# Altium PCB Stabilizer_Pounder.PcbDoc (part 5 of 7)
Units mm, origin at the board's own origin, x right, y up, seen from the top; angles counter-clockwise.
Board outline 113.55 x 100 mm, 4 copper layers (Top, P2, L3, Bottom Layer), stack 1.579 mm thick; 591 components, 344 nets, 1737 pads, 984 vias.
Unrouted connection lines stored in the file: 2.
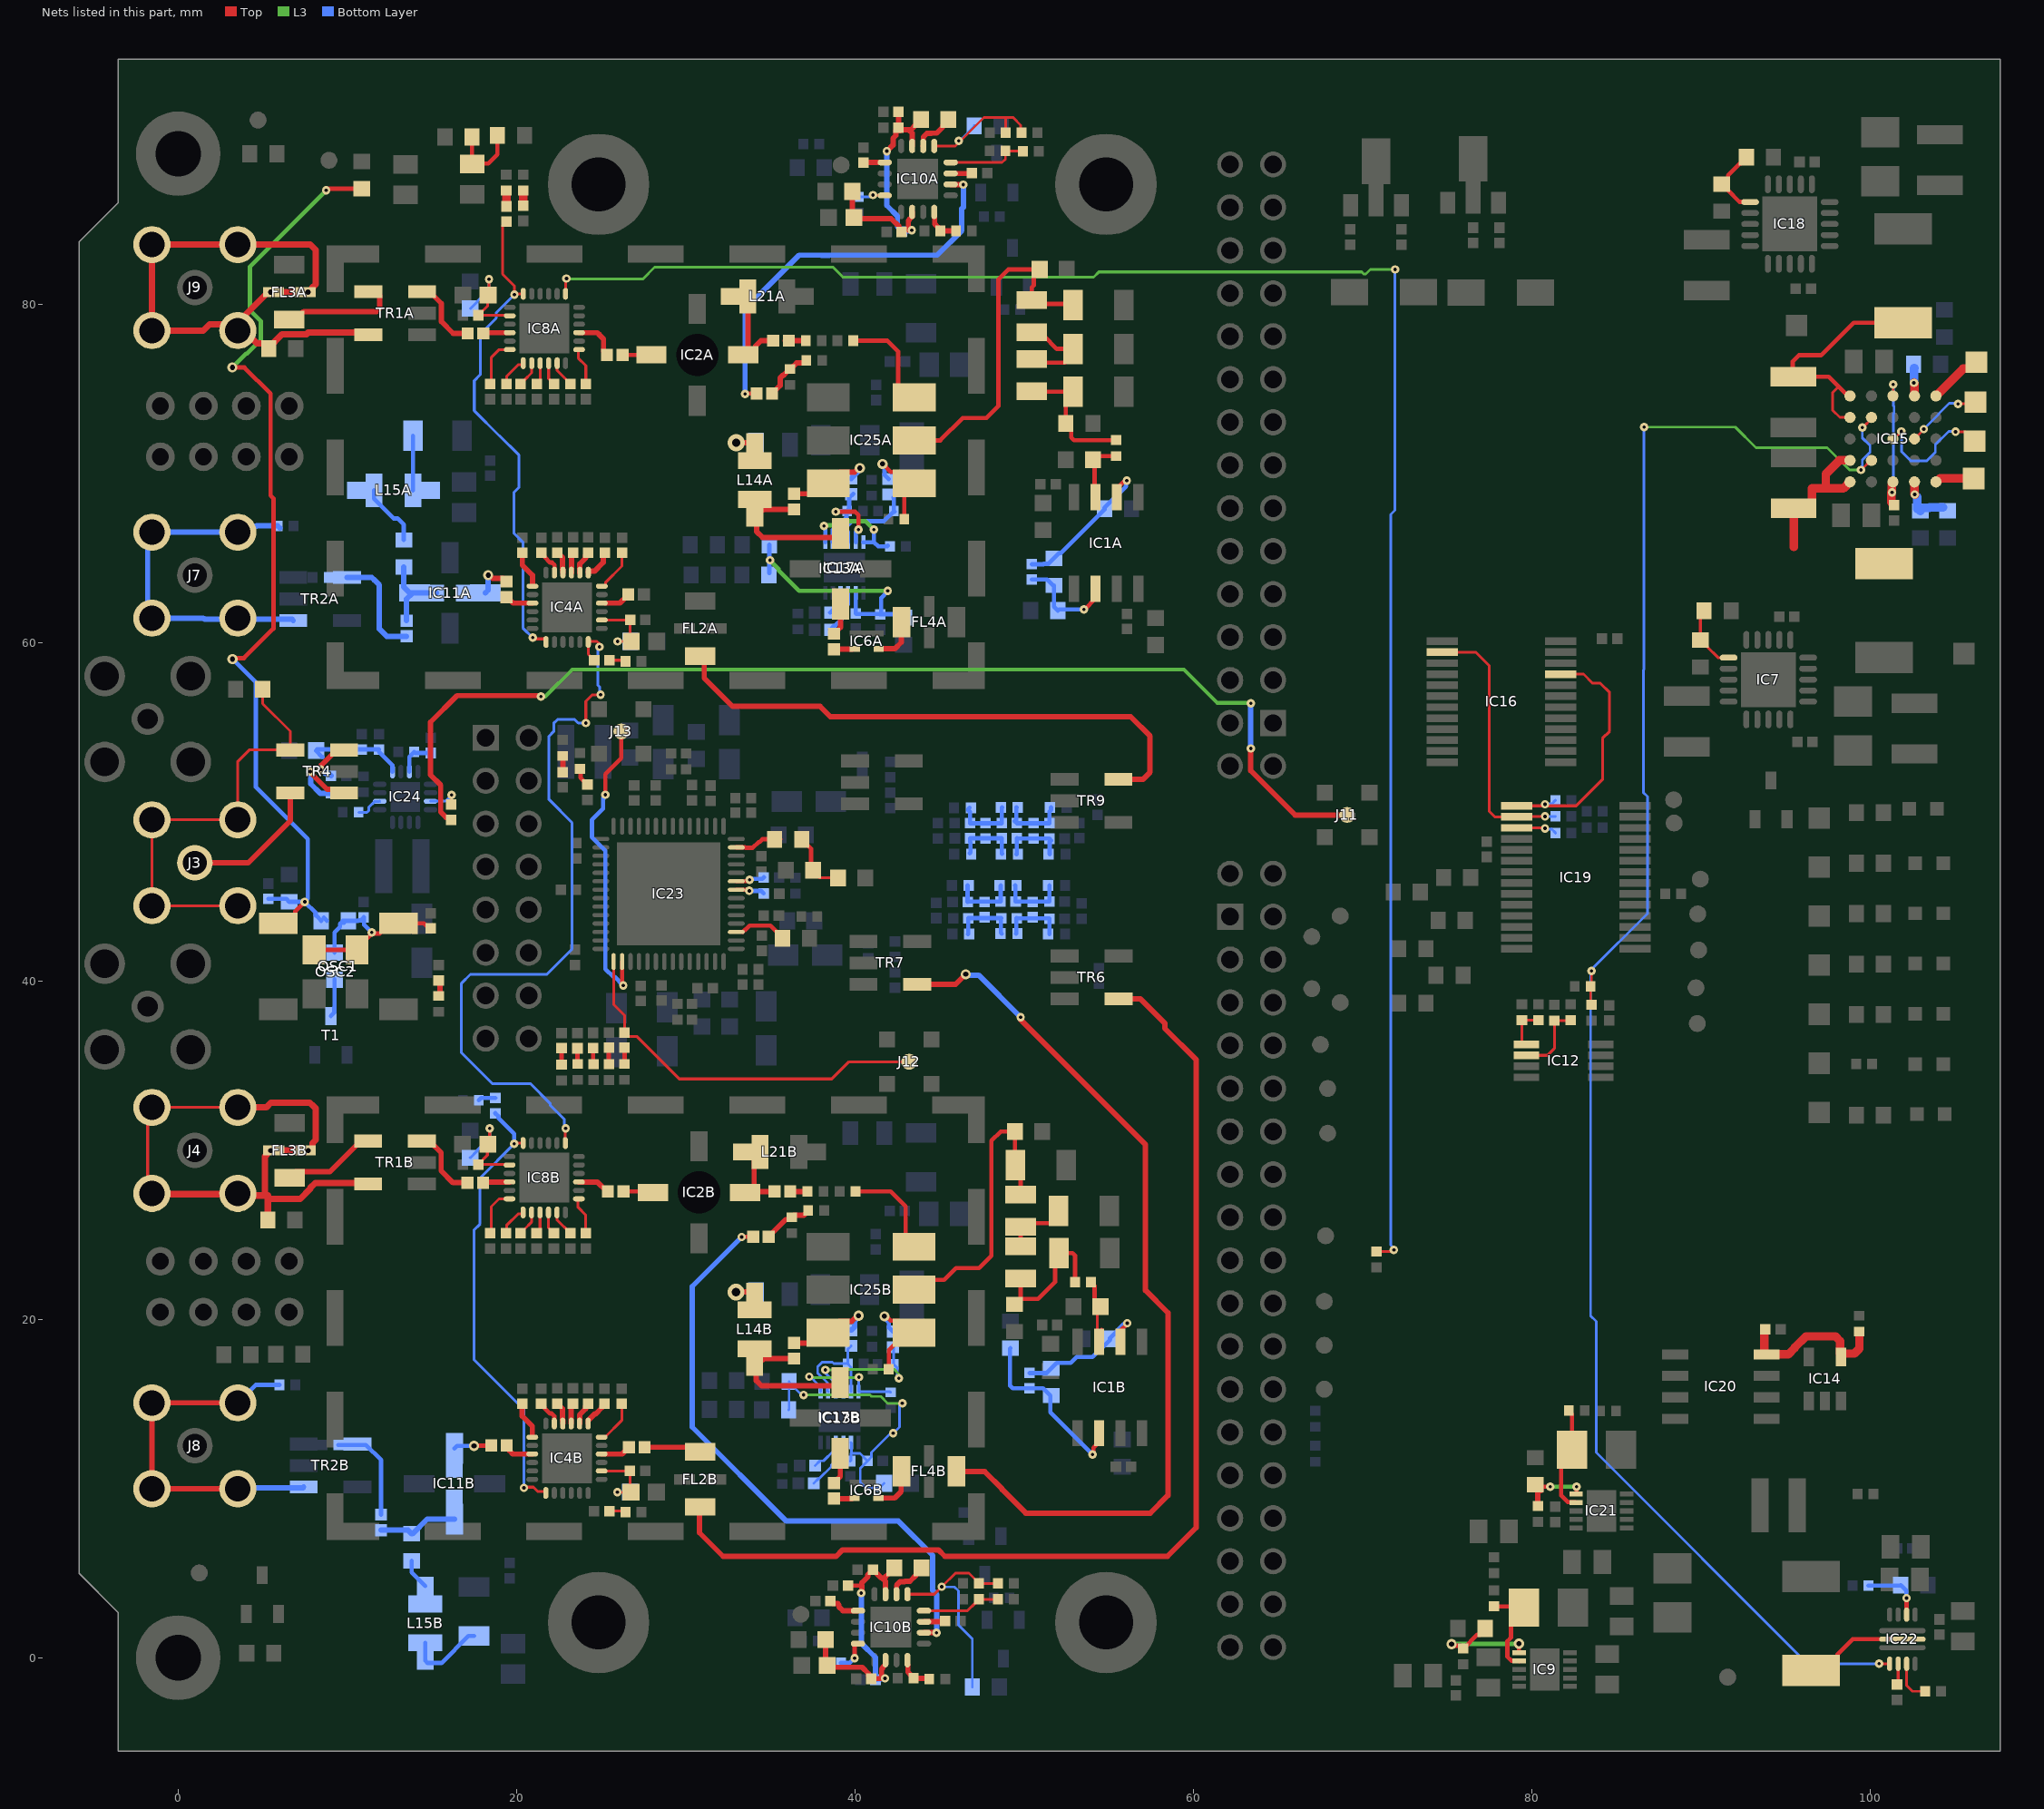
[diagram p7: the nets of this part, all layers, seen from the top]

## Via types
v1: diameter 0.5, hole 0.2, Top to Bottom Layer, tented both sides, 847 vias
v2: diameter 0.6, hole 0.3, Top to Bottom Layer, tented both sides, 113 vias
v3: diameter 1, hole 0.5, Top to Bottom Layer, tented both sides, 24 vias

## Nets (pads, with @x,y where several pads share a name; then routed paths per layer and width w, separated by ;. In a path a pad name is that pad's centre, name@x,y a point inside that pad or via, vN(x,y) a via of type N, cw(c..) or ccw(c..) an arc to the next point about the centre after c; other vN are vias at no path point) (continued)
NetC1A_2: C1A.2 IC4A.4 | length 1.6
  Top w0.316: IC4A.4@25.231,62.338 26.112,62.338 26.607,62.833 C1A.2@26.607,62.838
NetC1B_1: C1B.1 FL2B.3 | length 3.4
  Top w0.316: C1B.1@27.56,12.443 30.574,12.443 FL2B.3@30.849,12.168
NetC1B_2: C1B.2 IC4B.4 | length 1.8
  Top w0.316: IC4B.4@25.029,12.043 26.245,12.043 26.64,12.438 C1B.2@26.64,12.443
NetC2A_1: C2A.1 IC4A.15 | length 1.7
  Top w0.316: C2A.1@19.389,62.738 19.394,62.738 19.591,62.541 19.591,62.536 19.789,62.338 IC4A.15@20.939,62.338
NetC2A_2: C2A.2 IC11A.1 R86A.1 | length 2.4
  Top w0.316: v2(18.319,63.988) 18.396,63.988 18.579,63.805 19.197,63.805 C2A.2@19.394,63.608
  Bottom Layer w0.316: IC11A.1@18.149,62.934 18.319,63.104 v2(18.319,63.988)
NetC2B_1: C2B.1 IC4B.15 | length 1.7
  Top w0.316: C2B.1@19.379,12.443 19.384,12.443 19.581,12.246 19.581,12.241 19.779,12.043 IC4B.15@20.929,12.043
NetC2B_2: C2B.2 IC11B.1 R86B.1 | length 2.2
  Top w0.254: v2(17.486,12.528) 17.494,12.535 18.491,12.535 C2B.2@18.498,12.543
  Bottom Layer w0.254: IC11B.1@16.324,12.373 16.479,12.528 v2(17.486,12.528)
NetC3_1: C3.1 R50.1 | length 1
  Top w0.254: R50.1@25.451,35.088 C3.1@25.451,36.053
NetC4_1: C4.1 R51.1 | length 1
  Top w0.254: C4.1@24.527,36.037 24.527,35.097 R51.1@24.542,35.082
NetC5A_1: C5A.1 C97A.2 C98A.2 C99A.2 C100A.2 C104A.2 IC10A.3 IC10A.10 L22A.2 | length 16.6
  Top w0.316: L22A.2@39.844,86.668 39.844,85.378 C97A.2@40.056,85.166 ; C97A.2@40.208,85.064 42.138,85.064 42.615,84.588 42.615,84.429 C100A.2@42.766,84.277 ; v1(41.885,89.052) 42.248,89.416 42.248,89.809 42.422,89.983 42.422,90.286 C104A.2@42.574,90.438 ; C104A.2@42.545,90.271 C104A.2@42.672,90.271 ; C99A.2@42.574,91.388 42.574,90.547 C104A.2@42.629,90.493 ; C104A.2@42.672,90.322 43.318,90.322 43.567,90.571 43.592,90.571 43.909,90.888 C5A.1@43.909,90.913 ; v1@43.155,84.379 43.155,84.942 43.22,85.007 43.22,85.034 43.384,85.199 IC10A.10@43.384,85.458 ; 43.256,90.246 43.384,90.118 IC10A.3@43.384,89.358 ; IC10A.3@43.383,89.611 IC10A.3@43.383,89.618
  Bottom Layer w0.316: v1@41.885,89.001 41.885,85.837 42.512,85.21 42.512,84.582 C98A.2@42.792,84.302 42.833,84.343 43.323,84.343 v1(43.358,84.379)
NetC5A_2: C5A.2 IC10A.2 | length 2.4
  Top w0.316: IC10A.2@44.034,89.358 44.04,89.364 44.04,89.887 44.256,90.102 44.513,90.102 44.529,90.119 44.831,90.119 45.192,90.48 45.192,90.571 45.375,90.754 C5A.2@45.466,90.754
NetC5B_1: C5B.1 C97B.2 C98B.2 C99B.2 C100B.2 C104B.2 IC10B.3 IC10B.10 L22B.2 | length 17.3
  Top w0.254: C99B.2@39.591,4.267 40.41,4.267
  Top w0.316: L22B.2@38.264,1.068 38.264,-0.222 C97B.2@38.476,-0.434 ; C97B.2@38.628,-0.536 38.653,-0.561 40.422,-0.561 40.811,-0.95 40.811,-1.093 40.951,-1.233 41.575,-1.233 41.766,-1.233 v1(41.778,-1.222) ; v1(40.375,3.821) 40.41,3.856 40.41,4.267 ; 40.41,4.429 40.76,4.779 40.76,4.902 C104B.2@41.065,5.207 41.549,4.722 41.738,4.722 41.987,4.971 42.012,4.971 42.329,5.288 C5B.1@42.329,5.313 ; v1@41.575,-1.222 41.575,-0.658 41.64,-0.593 41.64,-0.566 41.804,-0.401 IC10B.10@41.804,-0.142 ; 41.676,4.646 41.804,4.518 IC10B.3@41.804,3.758
  Bottom Layer w0.316: v1(40.375,3.821) 40.375,0.855 41.212,0.018 C98B.2@41.212,-1.298 41.253,-1.257 41.743,-1.257 v1(41.778,-1.222)
NetC5B_2: C5B.2 IC10B.2 | length 2.4
  Top w0.316: IC10B.2@42.454,3.758 42.46,3.764 42.46,4.287 42.676,4.502 42.933,4.502 42.949,4.519 43.251,4.519 43.612,4.88 43.612,4.971 43.795,5.154 C5B.2@43.886,5.154
NetC6_1: C6.1 C44.1 R36.2 | length 3.8
  Top w0.166: C6.1@37.472,46.548 37.922,46.098 C44.1@39.004,46.098
  Top w0.254: R36.2@36.851,48.378 37.404,47.825 37.404,46.616 C6.1@37.472,46.548
NetC8A_1: C8A.1 TR1A.1 | length 4.3
  Top w0.316: TR1A.1@14.414,80.744 14.859,80.744 15.55,80.053 15.55,78.982 16.254,78.278 C8A.1@17.109,78.278
NetC8A_2: C8A.2 IC8A.4 | length 1.6
  Top w0.316: C8A.2@18.029,78.278 18.073,78.322 IC8A.4@19.593,78.322
NetC8B_1: C8B.1 TR1B.1 | length 4.3
  Top w0.316: TR1B.1@14.404,30.545 14.849,30.545 15.54,29.855 15.54,28.784 16.244,28.08 C8B.1@17.099,28.08
NetC8B_2: C8B.2 IC8B.4 | length 1.6
  Top w0.316: C8B.2@18.019,28.08 18.063,28.124 IC8B.4@19.583,28.124
NetC11_1: C11.1 R52.1 | length 0.9
  Top w0.254: C11.1@23.597,36.024 23.597,35.105 R52.1@23.602,35.099
NetC12_1: C12.1 R54.1 | length 0.9
  Top w0.254: R54.1@22.606,35.153 22.659,35.207 C12.1@22.659,36.028
NetC13_1: C13.1 R56.1 | length 1.1
  Top w0.254: R56.1@23.744,52.538 23.781,52.501 23.781,52.016 C13.1@24.189,51.608
NetC14A_2: C14A.2 IC4A.6 | length 2.6
  Top w0.166: IC4A.6@25.039,63.338 25.193,63.338 25.255,63.4 25.255,63.554 26.229,64.528 C14A.2@26.229,65.308
NetC14B_2: C14B.2 IC4B.6 | length 2.6
  Top w0.166: IC4B.6@25.029,13.043 25.229,13.043 26.219,14.033 C14B.2@26.219,15.013
NetC15A_2: C15A.2 IC4A.7 | length 1.8
  Top w0.316: IC4A.7@24.239,64.138 24.239,64.215 24.247,64.223 24.604,64.223 25.12,64.739 25.12,65.219 C15A.2@25.209,65.308
NetC15B_2: C15B.2 IC4B.7 | length 1.6
  Top w0.316: IC4B.7@24.229,13.843 24.229,14.027 24.61,14.407 24.668,14.407 25.047,14.787 25.047,14.861 C15B.2@25.199,15.013
NetC16A_2: C16A.2 IC4A.8 | length 1.4
  Top w0.316: IC4A.8@23.739,64.138 23.739,64.664 24.087,65.012 24.087,65.171 C16A.2@24.239,65.323
NetC16B_2: C16B.2 IC4B.8 | length 1.4
  Top w0.316: IC4B.8@23.729,13.843 23.729,14.369 24.077,14.717 24.077,14.876 C16B.2@24.229,15.028
NetC17A_2: C17A.2 IC4A.9 | length 1.2
  Top w0.316: IC4A.9@23.239,64.138 23.239,65.223 C17A.2@23.339,65.323
NetC17B_2: C17B.2 IC4B.9 | length 1.2
  Top w0.316: IC4B.9@23.229,13.843 23.229,14.928 C17B.2@23.329,15.028
NetC18A_2: C18A.2 IC4A.10 | length 1.3
  Top w0.316: C18A.2@22.414,65.323 22.718,65.019 22.718,64.342 22.739,64.322 IC4A.10@22.739,64.138
NetC18B_2: C18B.2 IC4B.10 | length 1.3
  Top w0.316: C18B.2@22.404,15.028 22.708,14.724 22.708,14.047 22.729,14.027 IC4B.10@22.729,13.843
NetC19A_2: C19A.2 IC4A.11 | length 1.6
  Top w0.254: C19A.2@21.464,65.308 21.647,65.125 21.647,65.075 21.988,64.734 22.09,64.734 22.239,64.585 IC4A.11@22.239,64.138
NetC19B_2: C19B.2 IC4B.11 | length 1.6
  Top w0.254: C19B.2@21.454,15.013 21.637,14.83 21.637,14.78 21.978,14.439 22.08,14.439 22.229,14.29 IC4B.11@22.229,13.843
NetC20A_2: C20A.2 IC4A.13 | length 2.2
  Top w0.316: C20A.2@20.339,65.308 20.339,64.583 20.939,63.983 IC4A.13@20.939,63.338
NetC20B_2: C20B.2 IC4B.13 | length 2.2
  Top w0.316: C20B.2@20.329,15.013 20.329,14.288 20.929,13.688 IC4B.13@20.929,13.043
NetC21A_2: C21A.2 C23A.2 IC4A.2 L11A.2 | length 4.5
  Top w0.166: IC4A.2@25.039,61.338 C23A.2@26.714,61.338 C21A.2@26.714,60.133 ; v1(25.969,60.078) 26.659,60.078 C21A.2@26.714,60.133 ; C21A.2@26.769,60.078 C21A.2@26.714,60.133
  Bottom Layer w0.166: v1(25.969,60.078) L11A.2@26.719,60.078
NetC21B_2: C21B.2 C23B.2 IC4B.2 L11B.2 | length 4.5
  Top w0.166: IC4B.2@25.029,11.043 C23B.2@26.704,11.043 C21B.2@26.704,9.838 ; v1(25.959,9.783) 26.649,9.783 C21B.2@26.704,9.838 ; C21B.2@26.759,9.783 C21B.2@26.704,9.838
  Bottom Layer w0.166: v1(25.959,9.783) L11B.2@26.709,9.783
NetC25_1: C25.1 R27.1 | length 0.9
  Top w0.508: C25.1@20.393,85.828 R27.1@20.393,86.728
NetC26A_1: C26A.1 R16A.1 | length 1
  Top w0.166: C26A.1@25.489,58.963 R16A.1@26.469,58.963
NetC26A_2: C26A.2 IC4A.24 IC8B.19 | length 44.7
  Top w0.166: IC8B.19@22.883,30.424 22.883,31.269 v1(22.904,31.29) ; v1(24.094,55.247) 24.094,56.537 24.47,56.913 24.96,56.913 v1(24.968,56.921) ; C26A.2@24.589,58.963 24.239,59.313 IC4A.24@24.239,60.038 24.276,60.075 24.751,60.075 24.904,59.922 v1(24.904,59.75)
  Bottom Layer w0.166: v1(22.904,31.29) 22.84,31.354 22.84,31.523 22.809,31.554 22.809,31.843 21.984,32.668 21.984,32.773 20.823,33.934 18.563,33.934 16.744,35.753 16.744,39.868 17.274,40.398 21.789,40.398 23.28,41.889 23.28,49.359 21.915,50.724 21.915,54.468 22.199,54.751 22.199,55.235 22.426,55.463 23.425,55.463 23.641,55.247 v1(24.094,55.247) ; v1(24.904,59.75) 24.904,59.678 25.039,59.813 24.904,59.813 24.799,59.813 24.799,57.502 24.904,57.397 24.904,56.985 v1(24.968,56.921)
NetC26B_1: C26B.1 R16B.1 | length 1
  Top w0.166: C26B.1@25.479,8.668 R16B.1@26.459,8.668
NetC27A_2: C27A.2 C28A.2 IC25A.2 L8A.1 | length 20.7
  Top w0.254: IC25A.2@43.504,71.958 45.043,71.958 46.364,73.279 47.777,73.279 48.476,73.977 48.476,81.467 49.072,82.063 C27A.2@50.914,82.063 50.566,81.715 50.566,81.114 50.445,80.993 50.445,80.017 52.832,80.017 C28A.2@52.89,79.959
NetC27B_2: C27B.2 C28B.2 IC25B.2 L8B.1 | length 17.9
  Top w0.254: IC25B.2@43.494,21.759 44.071,22.336 45.269,22.336 45.966,23.033 47.346,23.033 48.069,23.756 48.069,30.56 48.617,31.108 C27B.2@49.463,31.108 49.463,29.123 C28B.2@49.478,29.108 49.794,28.792 L8B.1@49.794,27.145
NetC29_1: C29.1 R39.1 | length 1
  Top w0.254: R39.1@26.384,35.102 C29.1@26.384,36.057
NetC29_2: C29.2 IC23.1 J12.1 | length 22.8
  Top w0.166: IC23.1@25.734,41.148 25.734,38.62 26.384,37.97 C29.2@26.384,36.957 26.611,36.73 27.1,36.73 29.616,34.214 38.633,34.214 39.649,35.23 J12.1@43.205,35.23
NetC30_1: C30.1 R57.1 | length 1
  Top w0.316: R57.1@22.719,53.308 22.734,53.293 C30.1@22.734,52.343
NetC31A_2: C31A.2 L8A.2 L9A.1 | length 5.9
  Top w0.254: L9A.1@50.445,76.545 52.395,76.545 52.89,77.039 C31A.2@52.89,77.364 51.934,77.364 51.171,78.128 51.171,78.166 50.77,78.566 L8A.2@50.445,78.566
NetC31B_2: C31B.2 L8B.2 L9B.1 | length 4.3
  Top w0.254: L9B.1@49.794,24.089 49.794,25.694 51.58,25.694 52.028,26.142 C31B.2@52.028,26.408
NetC32A_2: C32A.2 L9A.2 R21A.1 R62A.2 | length 8.3
  Top w0.254: L9A.2@50.445,75.093 50.71,74.828 C32A.2@52.89,74.828 52.464,74.402 R62A.2@52.464,72.958 52.787,72.635 52.787,72.127 52.943,71.971 R21A.1@55.447,71.971
NetC32B_2: C32B.2 L9B.2 R21B.1 R62B.2 | length 8.8
  Top w0.254: R62B.2@49.43,20.883 49.753,21.206 R62B.2@49.794,21.206 ; L9B.2@49.794,22.637 R62B.2@49.794,21.206 ; R21B.1@53.01,22.209 53.01,23.771 52.861,23.92 C32B.2@52.061,23.92 51.826,23.685 51.826,22.209 50.823,21.206 R62B.2@49.794,21.206
NetC36A_1: C36A.1 IC2A.3 L21A.1 | length 5.5
  Top w0.316: IC2A.3@33.452,77.038 33.673,77.26 L21A.1@33.673,80.467 ; IC2A.3@33.68,77.089 33.857,77.089 34.133,77.364 34.133,77.541 34.442,77.851 C36A.1@35.173,77.851 C36A.1@35.108,77.786
NetC36A_2: C36A.2 R12A.1 | length 1.2
  Top w0.316: C36A.2@35.865,77.851 C36A.2@36.093,77.851 R12A.1@37.097,77.851
NetC36B_1: C36B.1 IC2B.3 L21B.1 | length 3.7
  Top w0.316: IC2B.3@34.036,27.559 C36B.1@35.252,27.559 ; IC2B.3@34.036,27.584 34.036,27.86 34.043,27.867 34.043,29.554 L21B.1@34.385,29.896
NetC36B_2: C36B.2 R12B.1 | length 1
  Top w0.316: C36B.2@36.22,27.533 36.246,27.559 R12B.1@37.198,27.559
NetC37A_2: C37A.2 IC8A.6 | length 2.9
  Top w0.166: C37A.2@18.443,75.293 18.514,75.364 18.514,76.868 18.968,77.322 IC8A.6@19.593,77.322
NetC37B_2: C37B.2 IC8B.6 | length 2.9
  Top w0.166: C37B.2@18.433,25.094 18.504,25.165 18.504,26.669 18.958,27.124 IC8B.6@19.583,27.124
NetC38A_2: C38A.2 IC8A.7 | length 1.8
  Top w0.166: C38A.2@19.393,75.293 19.416,75.316 19.416,75.754 20.092,76.43 20.331,76.43 20.393,76.492 IC8A.7@20.393,76.522
NetC38B_2: C38B.2 IC8B.7 | length 1.8
  Top w0.166: C38B.2@19.383,25.094 19.406,25.117 19.406,25.556 20.082,26.232 20.321,26.232 20.383,26.294 IC8B.7@20.383,26.324
NetC39A_2: C39A.2 IC8A.8 | length 1.5
  Top w0.166: C39A.2@20.243,75.293 20.471,75.52 20.471,75.523 20.893,75.946 IC8A.8@20.893,76.522
NetC39B_2: C39B.2 IC8B.8 | length 1.5
  Top w0.166: C39B.2@20.233,25.094 20.461,25.322 20.461,25.324 20.883,25.747 IC8B.8@20.883,26.324
NetC40A_2: C40A.2 IC8A.9 | length 1.3
  Top w0.166: C40A.2@21.193,75.293 21.393,75.493 IC8A.9@21.393,76.522
NetC40B_2: C40B.2 IC8B.9 | length 1.3
  Top w0.166: C40B.2@21.183,25.094 21.383,25.294 IC8B.9@21.383,26.324
NetC41A_2: C41A.2 IC8A.10 | length 1.4
  Top w0.166: IC8A.10@21.893,76.522 21.893,75.614 C41A.2@22.214,75.293
NetC41B_2: C41B.2 IC8B.10 | length 1.4
  Top w0.166: IC8B.10@21.883,26.324 21.883,25.415 C41B.2@22.204,25.094
NetC42_1: C42.1 IC23.23 | length 1.7
  Top w0.254: IC23.23@32.984,45.898 32.986,45.9 33.62,45.9 33.706,45.985 v1(33.772,45.985)
  Bottom Layer w0.254: v1(33.772,45.985) 33.82,46.032 34.518,46.032 C42.1@34.614,46.128
NetC43_1: C43.1 IC23.22 | length 1.7
  Top w0.254: IC23.22@32.984,45.398 33.622,45.398 33.687,45.333 v1(33.754,45.333)
  Bottom Layer w0.254: v1(33.754,45.333) 34.449,45.333 C43.1@34.604,45.178
NetC60A_2: C60A.2 IC1A.3 R21A.2 | length 3.9
  Top w0.254: IC1A.3@54.213,68.341 54.167,68.386 54.167,70.808 54.39,71.031 R21A.2@55.447,71.031
NetC60B_2: C60B.2 IC1B.3 R21B.2 | length 5.1
  Top w0.166: IC1B.3@54.323,18.87 IC1B.3@54.323,19.235 ; C60B.2@54.42,20.846 54.323,20.749 54.323,19.365 IC1B.3@54.323,19.301 ; IC1B.3@54.426,18.423 54.426,19.199 54.259,19.365 IC1B.3@54.323,19.301 ; IC1B.3@54.58,19.425 54.39,19.235 IC1B.3@54.323,19.301
  Top w0.254: R21B.2@53.95,22.209 53.95,22.189 54.169,21.97 54.169,21.097 C60B.2@54.42,20.846 ; C60B.2@54.433,20.859 54.517,20.774 C60B.2@54.517,20.749
NetC66_1: C66.1 J11.1 | length 67.8
  Top w0.316: C66.1@16.134,49.528 15.982,49.68 15.823,49.68 15.513,49.989 15.513,51.583 14.914,52.182 14.914,55.302 16.483,56.87 21.259,56.87 21.278,56.851 21.408,56.851 v1(21.443,56.816) ; v1(63.394,53.746) 63.394,52.431 66.014,49.811 69.084,49.811 J11.1@69.091,49.818
  L3 w0.221: v1(21.443,56.816) 21.688,56.816 23.292,58.42 59.437,58.42 61.419,56.438 63.374,56.438 v1(63.394,56.418)
  Bottom Layer w0.316: v1(63.394,53.746) v1(63.394,56.418)
NetC66_2: C66.2 IC24.11 | length 1.8
  Top w0.166: v1(16.154,51.003) 16.154,50.647 C66.2@16.205,50.597
  Bottom Layer w0.166: IC24.11@14.914,50.628 15.805,50.628 16.154,50.978 v1(16.154,51.003)
NetC67_2: C67.2 IC15.A3 IC15.E3 | length 8.5
  Top w0.152: IC15.A3@101.354,74.583 101.363,74.592 101.363,75.251 v1(101.371,75.26)
  Top w0.508: v1@101.27,68.885 101.27,68.298 C67.2@101.373,68.195 ; v1(101.295,68.885) 101.295,69.337 101.325,69.366 101.325,69.474 IC15.E3@101.354,69.503
  Bottom Layer w0.152: v1(101.295,68.885) 101.362,68.951 101.362,69.138 101.371,69.148 101.371,73.516 101.418,73.563 101.418,73.96 101.371,74.006 v1(101.371,75.26)
NetC71A_2: C71A.2 IC8A.11 | length 1.6
  Top w0.166: IC8A.11@22.393,76.522 22.395,76.521 22.395,76.092 C71A.2@23.193,75.293
NetC71B_2: C71B.2 IC8B.11 | length 1.6
  Top w0.166: IC8B.11@22.383,26.324 22.385,26.322 22.385,25.893 C71B.2@23.183,25.094
NetC72A_2: C72A.2 IC8A.13 | length 2.2
  Top w0.166: IC8A.13@23.693,77.322 23.643,77.272 23.643,76.822 24.093,76.372 C72A.2@24.093,75.293
NetC72B_2: C72B.2 IC8B.13 | length 2.2
  Top w0.166: IC8B.13@23.683,27.124 23.633,27.074 23.633,26.624 24.083,26.174 C72B.2@24.083,25.094
NetC73_2: C73.2 IC15.D1 IC15.E1 L2.1 | length 8.4
  Top w0.508: C73.2@95.326,67.792 95.277,67.792 95.487,67.582 95.487,65.651 ; C73.2@96.495,68.097 96.575,68.178 96.575,69.113 98.424,69.113 IC15.E1@98.814,69.503 ; 97.384,69.139 97.384,69.977 98.18,70.773 IC15.D1@98.814,70.773 ; L2.1@100.808,64.715 L2.1@100.839,64.684
NetC82A_1: C82A.1 IC8A.15 | length 2.6
  Top w0.316: IC8A.15@23.693,78.322 24.775,78.322 24.877,78.221 ; 24.869,78.213 25.138,77.944 25.138,77.275 25.147,77.266 25.147,77.214 25.298,77.063 C82A.1@25.349,77.063
NetC82A_2: C82A.2 IC2A.1 | length 1.5
  Top w0.254: C82A.2@26.264,77.013 27.559,77.013 IC2A.1@27.711,77.165
NetC82B_1: C82B.1 IC8B.15 | length 1.9
  Top w0.316: IC8B.15@23.683,28.124 24.765,28.124 C82B.1@25.309,27.58
NetC82B_2: C82B.2 IC2B.1 | length 1.8
  Top w0.254: C82B.2@26.264,27.61 C82B.2@26.314,27.559 28.016,27.559 IC2B.1@28.067,27.508
NetC83_2: C83.2 IC14.4 IC20.8 R105.1 | length 9.4
  Top w0.5: C83.2@93.751,19.278 93.751,17.982 93.801,17.932 IC20.8@93.886,17.932 95.174,17.932 95.55,18.309 95.55,18.335 96.214,18.999 97.954,18.999 98.233,18.721 98.233,17.972 IC14.4@98.247,17.958 ; IC14.4@98.283,17.784 98.283,17.933 98.333,17.983 99.072,17.983 99.365,18.276 R105.1@99.365,19.202
NetC84_2: C84.2 R71.2 R72.1 | length 4.5
  Top w0.254: R71.2@17.369,89.888 C84.2@17.369,88.288 17.406,88.325 18.326,88.325 18.871,88.87 R72.1@18.871,89.986
NetC86A_1: C86A.1 R74A.1 | length 0.9
  Top w0.508: R74A.1@19.389,86.728 19.394,86.723 C86A.1@19.394,85.788
NetC86A_2: C86A.2 IC4A.19 IC8A.24 | length 29.3
  Top w0.166: C86A.2@19.394,84.888 19.174,84.668 19.174,81.781 19.868,81.087 v1(19.868,80.572) 19.918,80.622 IC8A.24@20.393,80.622 IC8A.24@20.393,80.822 ; v1(20.958,60.298) 21.034,60.222 21.677,60.222 21.739,60.159 IC4A.19@21.739,60.038
  Bottom Layer w0.166: v1(19.868,80.572) 18.801,79.505 18.801,79.18 17.85,78.23 17.85,75.837 17.496,75.483 17.496,73.712 18.986,72.222 19.007,72.222 20.129,71.1 20.129,69.167 19.846,68.884 19.846,66.466 20.375,65.937 20.375,60.869 20.946,60.298 v1(20.958,60.298)
NetC86B_1: C86B.1 R74B.1 | length 1
  Bottom Layer w0.254: R74B.1@17.764,32.952 17.9,33.088 C86B.1@18.744,33.088
NetC86B_2: C86B.2 IC4B.19 IC8B.24 | length 27
  Top w0.166: v1(19.858,30.374) 19.908,30.424 IC8B.24@20.383,30.424 IC8B.24@20.383,30.624 ; v1(20.431,10.039) 20.475,10.083 20.994,10.083 21.237,9.839 IC4B.19@21.729,9.839
  Bottom Layer w0.166: v1(19.858,30.374) 17.84,28.356 17.84,25.638 17.486,25.284 17.486,17.614 20.431,14.668 v1(20.431,10.039)
  Bottom Layer w0.254: C86B.2@18.744,32.188 18.927,32.005 18.927,31.907 19.858,30.976 v1(19.858,30.374)
NetC88A_2: C88A.2 C89A.2 IC8A.2 L12A.2 | length 6.5
  Top w0.166: v1(18.369,81.488) 18.369,80.603 C88A.2@18.319,80.553 18.288,80.522 18.288,79.902 C89A.2@17.739,79.353 19.326,79.353 19.357,79.322 IC8A.2@19.593,79.322
  Bottom Layer w0.166: L12A.2@17.259,79.753 17.284,79.753 17.676,80.145 17.676,80.17 18.369,80.863 v1(18.369,81.488)
NetC88B_2: C88B.2 C89B.2 IC8B.2 L12B.2 | length 6.5
  Top w0.166: v1(18.409,31.298) 18.409,30.455 C88B.2@18.309,30.354 18.278,30.323 18.278,29.703 C89B.2@17.729,29.154 19.316,29.154 19.347,29.124 IC8B.2@19.583,29.124
  Bottom Layer w0.166: L12B.2@17.249,29.554 17.274,29.554 17.666,29.947 17.666,29.972 18.409,30.715 v1(18.409,31.298)
NetC92_1: C92.1 IC9.7 R75.2 | length 5.9
  Top w0.254: R75.2@77.775,3.037 79.478,3.037 C92.1@79.544,2.971 78.771,2.198 78.771,1.186 78.562,0.978 78.562,0.065 78.798,-0.171 79.246,-0.171 IC9.7@79.269,-0.194
NetC95A_1: C95A.1 IC10A.15 | length 1.1
  Top w0.316: IC10A.15@45.659,87.733 46.712,87.733 C95A.1@46.761,87.782
NetC95B_1: C95B.1 IC10B.15 | length 1.1
  Top w0.316: IC10B.15@44.079,2.133 45.132,2.133 C95B.1@45.181,2.182
NetC96A_2: C96A.2 IC10A.5 | length 1.3
  Top w0.316: C96A.2@40.462,88.366 40.479,88.383 IC10A.5@41.759,88.383
NetC96B_2: C96B.2 IC10B.5 | length 1.9
  Top w0.316: C96B.2@38.55,3.353 38.702,3.201 38.981,3.201 39.056,3.126 39.056,3.006 39.279,2.783 IC10B.5@40.179,2.783
NetC101_2: C101.2 C102.2 L13.1 OSC1.4 OSC2.1 OSC2.4 R167.2 | length 12.1
  Top w0.254: OSC2.1@7.772,41.783 7.828,41.838 OSC2.1@8.034,41.838 OSC2.4@10.574,41.838 10.574,42.013 11.122,42.561 11.206,42.561 11.45,42.804 11.904,42.804 12.509,43.409 OSC1.4@13.014,43.409 14.528,43.409 C102.2@14.707,43.231
  Bottom Layer w0.254: L13.1@9.244,41.678 9.244,42.873 9.561,43.19 9.561,43.375 9.62,43.434 R167.2@9.804,43.434 ; R167.2@9.724,43.558 10.632,43.558 10.659,43.585 10.781,43.585 C101.2@10.846,43.65 ; C101.2@10.964,43.768 10.987,43.745 10.987,43.32 v1(11.433,42.873)
NetC103_2: C103.2 R117.1 | length 0.8
  Top w0.316: C103.2@15.394,40.038 15.469,39.963 R117.1@15.469,39.268
NetC105_1: C105.1 TR4.3 | length 4.7
  Top w0.316: v1(7.808,52.377) 7.808,52.329 8.799,51.338 9.582,51.338 TR4.3@9.804,51.116
  Bottom Layer w0.316: v1(7.808,52.377) 7.834,52.351 7.834,51.653 8.388,51.098 C105.1@9.034,51.098
NetC110A_1: C110A.1 IC6A.1 | length 1.2
  Top w0.316: C110A.1@38.764,59.608 39.839,59.608 39.869,59.638 IC6A.1@39.994,59.638
NetC110A_2: C110A.2 IC13A.1 | length 1.9
  Top w0.316: C110A.2@38.764,60.528 38.769,60.528 38.966,60.725 38.966,60.73 39.144,60.908 IC13A.1@39.144,62.283
NetC110B_1: C110B.1 IC6B.1 | length 1.2
  Top w0.316: C110B.1@38.754,9.409 39.829,9.409 39.859,9.439 IC6B.1@39.984,9.439
NetC110B_2: C110B.2 IC13B.1 | length 1.9
  Top w0.316: C110B.2@38.754,10.329 38.759,10.329 38.956,10.526 38.956,10.531 39.134,10.709 IC13B.1@39.134,12.084